# Altium PCB TB_PCB.PcbDoc (part 2 of 2)
Units mm, origin at the board's own origin, x right, y up, seen from the top; angles counter-clockwise.
Board outline 210.95 x 140.19 mm, 2 copper layers (Top Layer, Bottom Layer); 52 components, 105 nets, 390 pads, 1586 vias.
Unrouted connection lines stored in the file: 19.
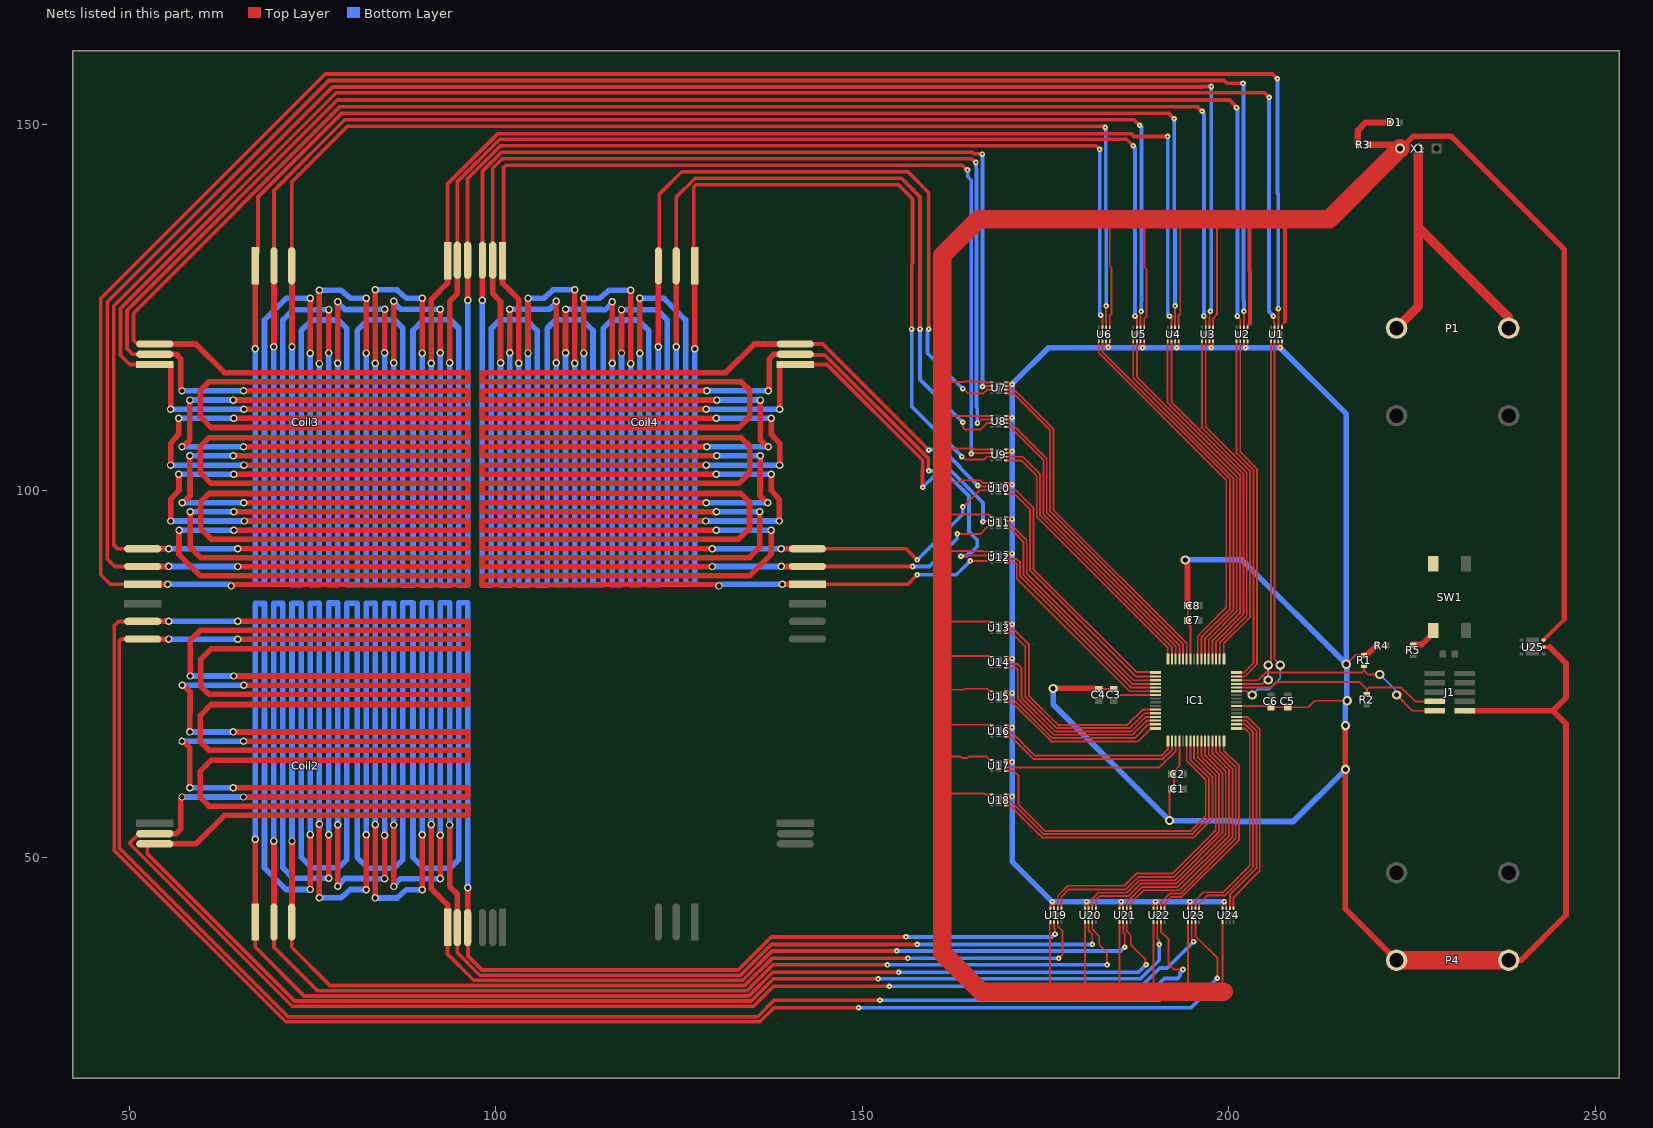
[diagram p2: the nets of this part, all layers, seen from the top]

## Via types
v1: diameter 1.27, hole 0.711, Top Layer to Bottom Layer, 1242 vias
v2: diameter 1.016, hole 0.635, Top Layer to Bottom Layer, 224 vias
v3: diameter 0.762, hole 0.254, Top Layer to Bottom Layer, 120 vias

## Nets (pads, with @x,y where several pads share a name; then routed paths per layer and width w, separated by ;. In a path a pad name is that pad's centre, name@x,y a point inside that pad or via, vN(x,y) a via of type N, cw(c..) or ccw(c..) an arc to the next point about the centre after c; other vN are vias at no path point) (continued)
NetCoil2_A2-1: Coil2.A2-1 U23.3 | length 206.6
  Top Layer w0.254: U23.3@195.445,41.148 195.445,39.236 198.428,36.253 v3(198.428,33.474)
  Top Layer w0.508: Coil2.A2-1@51.816,82.169 48.514,82.169 47.914,81.569 47.914,50.951 71.331,27.534 136.01,27.534 137.94,29.464 v3(149.479,29.464)
  Bottom Layer w0.508: v3(149.479,29.464) 194.818,29.464 196.599,31.245 196.599,31.645 v3(198.428,33.474)
NetCoil2_A2-2: Coil2.A2-2 U23.2 | length 162.9
  Top Layer w0.254: U23.2@194.945,41.148 194.945,38.804 195.199,38.55 v3(195.199,38.481)
  Top Layer w0.508: Coil2.A2-2@51.435,53.34 50.038,51.943 50.038,51.831 72.211,29.658 135.13,29.658 137.857,32.385 v3(153.67,32.385)
  Bottom Layer w0.508: v3(153.67,32.385) 188.087,32.385 190.573,34.871 191.589,34.871 v3(195.199,38.481)
  other v2: 83.559,44.435 75.926,44.47 82.309,45.558 89.929,45.558 74.676,45.593 96.179,45.847 86.059,45.999 78.426,46.034 84.809,47.082 92.429,47.082 77.176,47.117 69.683,52.197 72.183,52.197 67.183,52.451 84.809,53.011 92.429,53.011 77.176,53.046 82.309,53.051 89.929,53.051 74.676,53.086 86.059,54.388 93.679,54.388 78.426,54.423 83.559,54.448 91.179,54.448 75.926,54.483 57.175,58.213 65.564,58.213 58.258,59.463 64.187,59.463 57.175,65.833 65.564,65.833 58.258,67.083 64.187,67.083 57.21,73.466 65.599,73.466 58.293,74.716 64.222,74.716 55.372,79.756 64.77,79.755 55.372,82.169 64.77,82.17
NetCoil2_A3-1: Coil2.A3-1 U22.3 | length 235.7
  Top Layer w0.254: U22.3@190.738,41.148 190.738,39.854 191.769,38.823 191.769,35.42 192.517,34.671 v3(193.737,34.671)
  Top Layer w0.508: Coil2.A3-1@51.816,79.756 48.895,79.756 48.622,79.483 48.622,51.244 71.624,28.242 135.717,28.242 137.955,30.48 v3(152.4,30.48)
  Bottom Layer w0.508: 190.583,30.48 188.38,30.48 153.508,30.48 152.689,30.48 v3(152.4,30.48) 188.199,30.48 191.174,33.455 192.977,33.455 193.329,33.807 193.329,34.194 193.737,34.602 v3(193.737,34.671)
NetCoil2_A3-2: Coil2.A3-2 U22.2 | length 155.5
  Top Layer w0.254: U22.2@190.238,41.148 190.238,38.939 190.451,38.725 190.451,38.149 v3(190.5,38.1)
  Top Layer w0.508: Coil2.A3-2@52.63,51.844 52.451,51.665 52.451,50.419 72.504,30.366 134.837,30.366 137.872,33.401 v3(152.146,33.401)
  Bottom Layer w0.508: v3(152.146,33.401) 187.96,33.401 190.5,35.941 v3(190.5,38.1)
NetCoil2_B1-1: Coil2.B1-1 U21.3 | length 136.4
  Top Layer w0.254: U21.3@186.063,41.148 186.063,39.87 186.617,39.316 186.617,38.083 188.613,36.087 188.613,35.415 v3(188.703,35.325)
  Top Layer w0.508: Coil2.B1-1@67.183,41.148 67.183,40.513 67.183,37.719 73.828,31.074 134.544,31.074 137.76,34.29 v3(154.94,34.29)
  Bottom Layer w0.508: v3(154.94,34.29) 187.668,34.29 v3(188.703,35.325)
NetCoil2_B1-2: Coil2.B1-2 U21.2 | length 102.1
  Top Layer w0.254: U21.2@185.563,41.148 185.563,41.027 185.609,40.981 185.609,39.682 185.801,39.49 v3(185.801,37.719)
  Top Layer w0.508: Coil2.B1-2@93.394,39.601 93.394,36.781 96.977,33.198 133.664,33.198 137.677,37.211 v3(154.686,37.211)
  Bottom Layer w0.508: v3(154.686,37.211) 185.224,37.211 185.732,37.719 v3(185.801,37.719)
NetCoil2_B2-1: Coil2.B2-1 U20.3 | length 127.7
  Top Layer w0.254: U20.3@181.356,41.148 181.356,40.163 182.323,39.196 182.323,38.058 183.388,36.994 v3(183.388,35.306)
  Top Layer w0.508: Coil2.B2-1@69.723,41.148 69.723,37.719 75.66,31.782 134.251,31.782 137.775,35.306 v3(153.416,35.306)
  Bottom Layer w0.508: v3(153.416,35.306) v3(183.388,35.306)
NetCoil2_B2-2: Coil2.B2-2 U20.2 | length 96.3
  Top Layer w0.254: U20.2@180.856,41.148 180.856,40.021 181.356,39.521 v3(181.356,38.1)
  Top Layer w0.508: Coil2.B2-2@94.742,40.386 94.742,36.957 97.793,33.906 133.371,33.906 137.565,38.1 v3(157.48,38.1)
  Bottom Layer w0.508: v3(157.48,38.1) v3(181.356,38.1)
NetCoil2_B3-1: Coil2.B3-1 U19.3 | length 117.2
  Top Layer w0.254: U19.3@176.649,41.148 176.649,40.6 177.292,39.957 177.292,36.703 v3(176.784,36.195)
  Top Layer w0.508: Coil2.B3-1@72.136,41.148 72.136,37.719 77.365,32.49 133.957,32.49 137.662,36.195 v3(156.21,36.195)
  Bottom Layer w0.508: v3(156.21,36.195) v3(176.784,36.195)
NetCoil2_B3-2: Coil2.B3-2 U19.2 | length 87.6
  Top Layer w0.254: U19.2@176.149,41.148 176.149,40.347 176.276,40.22 v3(176.276,39.497)
  Top Layer w0.508: Coil2.B3-2@96.198,39.556 96.198,36.517 98.101,34.614 133.078,34.614 137.58,39.116 v3(155.956,39.116)
  Bottom Layer w0.508: v3(155.956,39.116) 175.826,39.116 176.207,39.497 v3(176.276,39.497)
NetCoil3_A1-1: Coil3.A1-1 U1.2 | length 251.3
  Top Layer w0.254: U1.2@206.75,122.424 206.756,122.43 v3(206.756,124.841)
  Top Layer w0.508: Coil3.A1-1@51.816,87.249 49.776,87.249 47.371,87.249 46.101,88.519 46.101,126.238 76.708,156.845 205.994,156.845 v3(206.629,156.21)
  Bottom Layer w0.508: v3(206.629,156.21) 206.629,140.565 206.756,140.438 v3(206.756,124.841)
NetCoil3_A1-2: Coil3.A1-2 U1.3 | length 213.1
  Top Layer w0.254: v3(206.048,123.825) 206.121,123.752 206.121,123.063 206.248,122.936 U1.3@206.248,122.301
  Top Layer w0.508: Coil3.A1-2@54.102,117.221 Coil3.A1-2@53.467,117.221 50.038,117.221 48.768,118.491 48.768,124.841 78.232,154.305 204.851,154.305 v3(205.486,153.67)
  Bottom Layer w0.508: v3(205.486,153.67) 205.486,124.456 206.048,123.894 v3(206.048,123.825)
NetCoil3_A2-1: Coil3.A2-1 U2.2 | length 241.3
  Top Layer w0.254: U2.2@202.049,122.301 202.049,124.452 v3(202.057,124.46)
  Top Layer w0.508: Coil3.A2-1@51.816,89.662 49.776,89.662 48.006,89.662 46.99,90.678 46.99,125.73 77.235,155.975 199.364,155.975 199.764,155.575 v3(201.93,155.575)
  Bottom Layer w0.508: v3(201.93,155.575) 202.003,155.502 202.003,125.857 202.057,125.803 v3(202.057,124.46)
  other v2: 63.881,86.995 55.245,87.249 55.372,89.662 64.77,89.661 55.372,92.075 64.77,92.076 56.769,94.615 64.262,94.615 55.646,95.865 65.659,95.865 58.293,97.115 64.222,97.115 57.21,98.365 65.599,98.365 56.734,102.248 64.227,102.248 55.611,103.498 65.624,103.498 58.258,104.748 64.187,104.748 57.175,105.998 65.564,105.998 56.734,109.868 64.227,109.868 55.611,111.118 65.624,111.118 58.258,112.368 64.187,112.368 57.175,113.618 65.564,113.618 75.926,117.348 83.559,117.383 91.179,117.383 78.426,117.408 86.059,117.443 93.679,117.443 74.676,118.745 82.309,118.78 89.929,118.78 77.176,118.785 84.809,118.82 92.429,118.82 67.183,119.38 69.683,119.634 72.183,119.634 77.176,124.714 84.809,124.749 92.429,124.749 78.426,125.797 86.059,125.832 96.179,125.984 74.676,126.238 82.309,126.273 89.929,126.273 75.926,127.361 83.559,127.396
NetCoil3_A2-2: Coil3.A2-2 U2.3 | length 202.4
  Top Layer w0.254: v3(201.168,123.825) 201.168,123.756 201.549,123.375 U2.3@201.549,122.301
  Top Layer w0.508: Coil3.A2-2@52.578,118.618 50.419,118.618 49.657,119.38 49.657,124.587 78.359,153.289 200.081,153.289 201.041,152.329 v3(201.041,152.273)
  Bottom Layer w0.508: v3(201.041,152.273) 201.041,152.204 201.168,152.077 v3(201.168,123.825)
NetCoil3_A3-1: Coil3.A3-1 U3.2 | length 230
  Top Layer w0.254: U3.2@197.35,122.301 197.352,122.303 197.352,123.593 197.396,123.637 197.396,124.393 v3(197.485,124.482)
  Top Layer w0.508: Coil3.A3-1@49.911,92.075 48.387,92.075 47.879,92.583 47.879,125.222 77.724,155.067 196.215,155.067 196.288,155.14 v3(197.612,155.14)
  Bottom Layer w0.254: v3(197.485,124.482) 197.485,124.609 v3@197.612,124.736
  Bottom Layer w0.508: v3@197.612,124.736 v3(197.612,155.14)
NetCoil3_A3-2: Coil3.A3-2 U3.3 | length 194.2
  Top Layer w0.254: v3(196.596,123.825) 196.645,123.776 196.645,123.454 196.85,123.248 U3.3@196.85,122.301
  Top Layer w0.508: Coil3.A3-2@52.578,120.142 50.927,120.142 50.546,120.523 50.546,124.206 78.74,152.4 195.638,152.4 196.273,151.765 v3(196.342,151.765) ; Coil3.A3-2@52.632,120.191 53.291,120.191 Coil3.A3-2@53.467,120.015
  Bottom Layer w0.508: v3(196.342,151.765) 196.342,151.696 196.596,151.442 v3(196.596,123.825)
NetCoil3_B1-1: Coil3.B1-1 U4.2 | length 166.4
  Top Layer w0.254: Coil3.B1-1@67.31,132.334 Coil3.B1-1@67.556,132.58 ; U4.2@192.651,122.301 192.651,125.214 v3(192.659,125.222)
  Top Layer w0.508: Coil3.B1-1@67.556,132.58 67.556,140.073 78.994,151.511 191.77,151.511 v3(192.532,150.749)
  Bottom Layer w0.508: v3(192.532,150.749) 192.532,138.025 192.659,137.898 v3(192.659,125.222)
NetCoil3_B1-2: Coil3.B1-2 U4.3 | length 138
  Top Layer w0.254: Coil3.B1-2@93.345,131.445 Coil3.B1-2@93.408,131.381 ; v3(191.897,123.825) 191.897,123.756 192.151,123.502 U4.3@192.151,122.301
  Top Layer w0.508: Coil3.B1-2@93.345,131.445 93.345,133.604 93.408,133.667 93.408,141.842 100.284,148.717 186.675,148.717 187.056,148.336 v3(191.643,148.336)
  Bottom Layer w0.508: v3(191.643,148.336) 191.643,124.079 v3(191.897,123.825)
NetCoil3_B2-1: Coil3.B2-1 U5.2 | length 159
  Top Layer w0.254: U5.2@187.952,122.301 187.952,124.379 v3(188.033,124.46)
  Top Layer w0.508: Coil3.B2-1@69.723,132.08 69.723,140.97 79.375,150.622 187.071,150.622 v3(187.833,149.86)
  Bottom Layer w0.508: v3(187.833,149.86) 187.833,149.791 188.087,149.537 188.087,125.857 188.033,125.803 v3(188.033,124.46)
NetCoil3_B2-2: Coil3.B2-2 U5.3 | length 130.7
  Top Layer w0.254: v3(187.198,123.825) 187.198,123.756 187.452,123.502 U5.3@187.452,122.301
  Top Layer w0.508: Coil3.B2-2@94.742,131.445 94.742,142.174 100.523,147.955 186.055,147.955 v3(186.944,147.066)
  Bottom Layer w0.508: v3(186.944,147.066) 186.944,146.997 187.198,146.743 v3(187.198,123.825)
NetCoil3_B3-1: Coil3.B3-1 U6.2 | length 151.4
  Top Layer w0.254: U6.2@183.253,122.301 183.253,125.214 v3(183.261,125.222)
  Top Layer w0.508: Coil3.B3-1@72.136,132.259 72.136,142.113 79.756,149.733 182.953,149.733 v3(183.134,149.552)
  Bottom Layer w0.508: v3(183.134,149.552) 183.134,149.483 183.207,149.41 183.207,135.88 183.261,135.826 v3(183.261,125.222)
NetCoil3_B3-2: Coil3.B3-2 U6.3 | length 124
  Top Layer w0.254: v3(182.499,123.952) 182.499,123.883 182.753,123.629 U6.3@182.753,122.301
  Top Layer w0.508: Coil3.B3-2@96.139,131.445 96.139,142.57 100.635,147.066 181.864,147.066 v3(182.372,146.558)
  Bottom Layer w0.254: 182.372,134.181 182.45,134.102
  Bottom Layer w0.508: v3(182.372,146.558) 182.372,134.181 182.372,124.079 v3(182.499,123.952)
NetCoil4_A1-1: Coil4.A1-1 U12.3 | length 26.5
  Top Layer w0.254: Coil4.A1-1@142.494,87.249 Coil4.A1-1@142.621,87.376 ; v3(164.719,90.424) 164.744,90.399 167.104,90.399 167.328,90.622 167.471,90.622 167.519,90.67 U12.3@167.64,90.67
  Top Layer w0.508: Coil4.A1-1@142.748,87.249 156.21,87.249 v3(157.48,88.519)
  Bottom Layer w0.508: v3(157.48,88.519) 162.814,88.519 v3(164.719,90.424)
  other v2: 130.429,86.995 139.065,87.249 130.048,94.615 137.541,94.615 128.651,95.865 138.664,95.865 130.083,102.248 137.576,102.248 128.686,103.498 138.699,103.498 130.083,109.868 137.576,109.868 128.686,111.118 138.699,111.118
NetCoil4_A1-2: Coil4.A1-2 U12.2 | length 48.1
  Top Layer w0.254: v3(163.449,91.059) 163.586,91.059 163.697,91.17 U12.2@167.64,91.17
  Top Layer w0.508: Coil4.A1-2@141.732,117.221 145.161,117.221 158.242,104.14 158.242,103.071 158.217,103.046 158.217,100.482 v3(158.242,100.457)
  Bottom Layer w0.508: v3(158.242,100.457) 159.766,101.981 161.827,101.981 164.538,99.27 164.538,94.431 165.681,93.288 165.681,92.386 164.846,91.551 164.665,91.551 164.222,91.108 163.498,91.108 v3(163.449,91.059)
NetCoil4_A2-1: Coil4.A2-1 U11.3 | length 26.8
  Top Layer w0.254: v3(162.934,94.114) 166.123,94.114 167.063,95.054 167.063,95.056 167.376,95.369 U11.3@167.517,95.369
  Top Layer w0.508: Coil4.A2-1@143.431,89.662 v3(156.845,89.662)
  Bottom Layer w0.508: v3(156.845,89.662) 159.131,89.662 162.934,93.465 v3(162.934,94.114)
NetCoil4_A2-2: Coil4.A2-2 U11.2 | length 37.9
  Top Layer w0.254: v3(166.443,95.758) 166.512,95.758 166.623,95.869 U11.2@167.64,95.869
  Top Layer w0.508: Coil4.A2-2@141.7,118.523 144.875,118.523 159.004,104.394 159.004,102.747 v3(159.052,102.7)
  Bottom Layer w0.508: v3(159.052,102.7) 159.062,102.689 162.121,102.689 166.443,98.367 v3(166.443,95.758)
NetCoil4_A3-1: Coil4.A3-1 U10.3 | length 30.3
  Top Layer w0.254: v3(163.703,97.79) 163.772,97.79 166.042,100.06 U10.3@167.64,100.06
  Top Layer w0.508: Coil4.A3-1@142.494,92.075 155.956,92.075 v3(157.48,90.551)
  Bottom Layer w0.508: v3(157.48,90.551) 163.703,96.774 v3(163.703,97.79)
NetCoil4_A3-2: Coil4.A3-2 U10.2 | length 34
  Top Layer w0.254: v3(165.735,100.711) 165.872,100.711 166.023,100.56 U10.2@167.517,100.56
  Top Layer w0.508: Coil4.A3-2@141.732,120.015 144.58,120.015 v3(159.058,105.537)
  Bottom Layer w0.508: v3(159.058,105.537) 159.107,105.586 159.18,105.586 159.206,105.612 160.961,105.612 163.324,103.249 163.324,103.122 v3(165.735,100.711)
NetCoil4_B1-1: Coil4.B1-1 U9.3 | length 84
  Top Layer w0.254: v3(163.576,104.648) 163.645,104.648 164.026,104.267 166.624,104.267 166.997,104.64 U9.3@167.64,104.64
  Top Layer w0.508: Coil4.B1-1@127,130.683 127,131.318 127,141.434 127.298,141.732 154.929,141.732 156.845,139.816 156.845,131.03 156.718,130.903 v3(156.718,122.047)
  Bottom Layer w0.508: v3(156.718,122.047) 156.718,111.506 v3(163.576,104.648)
NetCoil4_B1-2: Coil4.B1-2 U9.2 | length 116
  Top Layer w0.254: v3(164.846,105.029) 164.983,105.029 165.094,105.14 U9.2@167.64,105.14
  Top Layer w0.508: Coil4.B1-2@101.043,133.563 101.043,144.101 101.34,144.399 163.634,144.399 164.269,143.764 v3(164.338,143.764)
  Bottom Layer w0.508: v3(164.338,143.764) 164.387,143.715 164.387,142.826 164.846,142.367 v3(164.846,105.029)
NetCoil4_B2-1: Coil4.B2-1 U8.3 | length 81.7
  Top Layer w0.254: Coil4.B2-1@124.587,133.049 124.667,132.969 Coil4.B2-1@124.667,132.027 ; v3(163.703,109.347) 163.703,108.66 163.992,108.371 166.156,108.371 166.997,109.212 U8.3@167.64,109.212
  Top Layer w0.508: Coil4.B2-1@124.587,133.049 124.587,140.023 127.185,142.621 155.321,142.621 157.861,140.081 v3(157.861,122.047)
  Bottom Layer w0.508: v3(157.861,122.047) 157.861,115.189 v3(163.703,109.347)
NetCoil4_B2-2: Coil4.B2-2 U8.2 | length 117
  Top Layer w0.254: v3(165.681,109.22) 165.775,109.22 166.267,109.712 U8.2@167.64,109.712
  Top Layer w0.508: Coil4.B2-2@99.568,131.445 99.568,143.996 100.86,145.288 164.904,145.288 165.412,144.78 v3(165.481,144.78)
  Bottom Layer w0.508: v3(165.481,144.78) 165.53,144.731 165.53,143.955 165.554,143.93 165.554,111.436 165.681,111.309 v3(165.681,109.22)
NetCoil4_B3-1: Coil4.B3-1 U7.3 | length 80.8
  Top Layer w0.254: v3(163.703,113.919) 163.772,113.919 164.407,113.284 166.509,113.284 167.009,113.784 U7.3@167.517,113.784
  Top Layer w0.508: Coil4.B3-1@122.301,131.953 122.301,140.462 125.349,143.51 156.21,143.51 159.058,140.662 v3(159.058,122.047)
  Bottom Layer w0.508: v3(159.058,122.047) 159.009,121.998 159.009,121.925 158.877,121.793 158.877,118.745 v3(163.703,113.919)
NetCoil4_B3-2: Coil4.B3-2 U7.2 | length 114.6
  Top Layer w0.254: v3(166.389,114.173) 166.526,114.173 166.637,114.284 U7.2@167.64,114.284
  Top Layer w0.508: Coil4.B3-2@98.131,131.405 98.131,133.676 98.171,133.716 98.171,143.6 100.748,146.177 165.031,146.177 165.237,145.972 166.321,145.972 v3(166.37,145.923)
  Bottom Layer w0.508: v3(166.37,145.923) 166.379,145.914 166.379,114.182 v3(166.389,114.173)
  other v2: 129.54,89.661 138.938,89.662 129.54,92.076 138.938,92.075 130.088,97.115 136.017,97.115 128.711,98.365 137.1,98.365 130.123,104.748 136.052,104.748 128.746,105.998 137.135,105.998 130.123,112.368 136.052,112.368 128.746,113.618 137.135,113.618 118.384,117.348 103.131,117.383 110.751,117.383 115.884,117.408 100.631,117.443 108.251,117.443 119.634,118.745 104.381,118.78 112.001,118.78 117.134,118.785 101.881,118.82 109.501,118.82 127.127,119.38 122.127,119.634 124.627,119.634 117.134,124.714 101.881,124.749 109.501,124.749 115.884,125.797 108.251,125.832 98.131,125.984 119.634,126.238 104.381,126.273 112.001,126.273 118.384,127.361 110.751,127.396
NetD1_2: D1.2 R3.1 | length 6.7
  Top Layer w0.847: R3.1@217.588,147.193 217.588,149.135 218.694,150.241 D1.2@221.881,150.241
NetIC1_1: IC1.1 U23.6 | length 30.6
  Top Layer w0.254: U23.6@195.445,43.048 195.445,44.128 196.529,45.212 199.22,45.212 202.854,48.846 202.854,66.873 202.151,67.576 IC1.1@201.041,67.576
NetIC1_2: IC1.2 U23.5 | length 31.2
  Top Layer w0.254: U23.5@195.945,43.048 195.945,43.679 197.024,44.758 199.408,44.758 203.308,48.658 203.308,67.061 202.233,68.136 IC1.2@201.041,68.136
NetIC1_3: IC1.3 U24.6 | length 28.9
  Top Layer w0.254: U24.6@200.138,43.171 200.138,44.846 203.762,48.47 203.762,67.249 202.375,68.636 IC1.3@201.041,68.636
NetIC1_4: IC1.4 U24.5 | length 29.8
  Top Layer w0.254: U24.5@200.636,43.048 200.636,44.553 204.216,48.133 204.216,67.437 202.517,69.136 IC1.4@201.041,69.136
NetIC1_11: IC1.11 U1.6 | length 53.4
  Top Layer w0.254: IC1.11@201.041,72.636 202.425,72.636 202.925,72.136 v1(203.2,72.136) ; U1.6@206.248,120.401 206.248,76.962 v1(207.01,76.2)
  Bottom Layer w0.254: v1(203.2,72.136) 203.962,72.898 205.486,72.898 207.01,74.422 v1(207.01,76.2)
NetIC1_12: IC1.12 J1.4 R2.2 | length 29.3
  Top Layer w0.254: IC1.12@201.041,73.136 205.724,73.136 206.502,73.914 217.789,73.914 218.821,72.882 ; R2.2@218.821,72.226 218.821,72.882 ; J1.4@228.086,71.247 225.425,71.247 223.536,73.136 219.075,73.136 218.821,72.882
NetIC1_13: IC1.13 U1.5 | length 50.9
  Top Layer w0.254: IC1.13@201.041,73.636 204.552,73.636 205.084,74.168 v1(205.359,74.168) ; v1(205.359,76.2) 205.359,76.475 205.748,76.864 U1.5@205.748,120.401
  Bottom Layer w0.254: v1(205.359,74.168) v1(205.359,76.2)
NetIC1_14: IC1.14 J1.2 R1.1 | length 30.9
  Top Layer w0.254: IC1.14@201.041,74.136 203.967,74.136 204.397,74.566 205.015,75.184 218.161,75.184 218.44,75.463 ; R1.1@218.54,76.11 R1.1@218.44,76.11 218.44,75.463 ; v1(220.599,74.93) 218.973,74.93 218.44,75.463 ; v1(222.885,72.136) 225.044,69.977 J1.2@228.086,69.977
  Bottom Layer w0.254: v1(220.599,74.93) 222.691,72.838 222.691,72.33 v1(222.885,72.136)
NetIC1_15: IC1.15 U2.6 | length 48.4
  Top Layer w0.254: IC1.15@201.041,74.636 201.054,74.649 202.164,74.649 203.835,76.32 203.835,102.997 201.549,105.283 U2.6@201.549,120.278
NetIC1_16: IC1.16 U2.5 | length 47.6
  Top Layer w0.254: IC1.16@201.041,75.196 202.069,75.196 203.34,76.467 203.34,102.85 201.049,105.141 U2.5@201.049,120.278
NetIC1_17: IC1.17 U3.6 | length 47.4
  Top Layer w0.254: U3.6@196.85,120.401 196.85,108.698 202.886,102.662 202.886,82.769 199.308,79.191 IC1.17@199.308,77.017
NetIC1_18: IC1.18 U3.5 | length 47.4
  Top Layer w0.254: U3.5@196.35,120.401 196.35,108.556 202.432,102.473 202.432,82.957 198.748,79.273 IC1.18@198.748,77.017
NetIC1_19: IC1.19 U4.6 | length 49
  Top Layer w0.254: U4.6@192.151,120.401 192.151,112.113 201.978,102.285 201.978,83.145 198.247,79.414 IC1.19@198.248,77.017 IC1.19@198.248,77.017
NetIC1_20: IC1.20 U4.5 | length 49
  Top Layer w0.254: U4.5@191.651,120.401 191.651,111.971 201.524,102.097 201.524,83.333 197.748,79.557 IC1.20@197.748,77.017
NetIC1_21: IC1.21 U5.6 | length 50.6
  Top Layer w0.254: U5.6@187.452,120.401 187.452,115.528 201.07,101.909 201.07,83.521 197.248,79.699 IC1.21@197.248,77.017
NetIC1_22: IC1.22 U5.5 | length 50.6
  Top Layer w0.254: U5.5@186.952,120.401 186.952,115.386 200.616,101.721 200.616,83.709 196.748,79.841 IC1.22@196.748,77.017
NetIC1_23: IC1.23 U6.6 | length 52.1
  Top Layer w0.254: U6.6@182.753,120.278 182.753,118.943 200.162,101.533 200.162,83.897 196.248,79.983 IC1.23@196.248,77.017
NetIC1_24: IC1.24 U6.5 | length 52.2
  Top Layer w0.254: U6.5@182.253,120.401 182.253,118.801 199.644,101.41 199.644,84.074 195.748,80.178 IC1.24@195.748,77.017
NetIC1_27: IC1.27 U7.6 | length 47.7
  Top Layer w0.254: U7.6@169.54,113.784 170.703,113.784 176.063,108.424 176.063,97.368 194.248,79.183 IC1.27@194.248,77.017
NetIC1_28: IC1.28 U7.5 | length 46.9
  Top Layer w0.254: U7.5@169.54,113.284 170.561,113.284 175.609,108.236 175.609,97.18 193.748,79.041 IC1.28@193.748,77.017
NetIC1_29: IC1.29 U8.6 | length 42.5
  Top Layer w0.254: U8.6@169.54,109.212 169.542,109.21 170.324,109.21 175.155,104.379 175.155,96.992 193.248,78.899 IC1.29@193.248,77.017
NetIC1_30: IC1.30 U8.5 | length 41.7
  Top Layer w0.254: U8.5@169.54,108.712 170.18,108.712 174.701,104.191 174.701,96.804 192.748,78.757 IC1.30@192.748,77.017
NetIC1_31: IC1.31 U9.6 | length 38.4
  Top Layer w0.254: U9.6@169.54,104.64 169.542,104.638 171.848,104.638 174.247,102.239 174.247,96.616 192.235,78.628 192.235,77.03 IC1.31@192.248,77.017
NetIC1_32: IC1.32 U9.5 | length 37.6
  Top Layer w0.254: U9.5@169.54,104.14 171.704,104.14 173.793,102.051 173.793,96.428 191.656,78.565 191.656,77.049 IC1.32@191.688,77.017
NetIC1_33: IC1.33 U10.6 | length 35.6
  Top Layer w0.254: U10.6@169.54,100.06 170.958,100.06 173.339,97.679 173.339,89.297 187.367,75.269 189.89,75.269 IC1.33@189.963,75.196
NetIC1_34: IC1.34 U10.5 | length 35.6
  Top Layer w0.254: U10.5@169.54,99.56 170.696,99.56 172.885,97.371 172.885,89.109 187.358,74.636 IC1.34@189.963,74.636
NetIC1_35: IC1.35 U11.6 | length 31.9
  Top Layer w0.254: U11.6@169.54,95.369 170.313,95.369 172.431,93.251 172.431,88.695 186.99,74.136 IC1.35@189.963,74.136
NetIC1_36: IC1.36 U11.5 | length 31.9
  Top Layer w0.254: U11.5@169.54,94.869 170.171,94.869 171.977,93.063 171.977,88.506 186.847,73.636 IC1.36@189.963,73.636
NetIC1_37: IC1.37 U12.6 | length 28.7
  Top Layer w0.254: U12.6@169.663,90.67 171.062,90.67 171.523,90.209 171.523,88.318 186.705,73.136 IC1.37@189.963,73.136
NetIC1_38: IC1.38 U12.5 | length 28.9
  Top Layer w0.254: U12.5@169.54,90.17 170.92,90.17 171.069,90.021 171.069,88.011 186.444,72.636 IC1.38@189.963,72.636
NetIC1_43: IC1.43 U13.6 | length 30.8
  Top Layer w0.254: U13.6@169.54,81.042 170.739,81.042 172.72,79.061 172.72,72.022 176.686,68.056 186.166,68.056 188.246,70.136 IC1.43@189.963,70.136
NetIC1_44: IC1.44 U13.5 | length 30.6
  Top Layer w0.254: U13.5@169.54,80.542 170.41,80.542 172.212,78.74 172.212,71.888 176.498,67.602 186.467,67.602 188.501,69.636 IC1.44@189.963,69.636
NetIC1_45: IC1.45 U14.6 | length 27.4
  Top Layer w0.254: U14.6@169.54,76.343 171.18,76.343 171.704,75.819 171.704,71.754 176.31,67.148 186.655,67.148 188.643,69.136 IC1.45@189.963,69.136
NetIC1_46: IC1.46 U14.5 | length 27.3
  Top Layer w0.254: U14.5@169.54,75.843 170.918,75.843 171.196,75.565 171.196,71.62 176.122,66.694 186.843,66.694 188.785,68.636 IC1.46@189.963,68.636
NetIC1_47: IC1.47 U15.6 | length 23.4
  Top Layer w0.254: U15.6@169.54,71.636 170.538,71.636 175.934,66.24 187.144,66.24 189.027,68.123 189.95,68.123 IC1.47@189.963,68.136
NetIC1_48: IC1.48 U15.5 | length 23.4
  Top Layer w0.254: U15.5@169.54,71.136 170.396,71.136 175.746,65.786 187.623,65.786 189.413,67.576 IC1.48@189.963,67.576
NetIC1_49: IC1.49 U16.6 | length 24.9
  Top Layer w0.254: U16.6@169.54,66.945 170.422,66.945 173.505,63.862 190.817,63.862 191.688,64.733 IC1.49@191.688,65.864
NetIC1_50: IC1.50 U16.5 | length 25.7
  Top Layer w0.254: U16.5@169.54,66.445 170.28,66.445 173.317,63.408 191.005,63.408 192.248,64.651 IC1.50@192.248,65.864
NetIC1_51: IC1.51 U17.6 | length 25.4
  Top Layer w0.254: U17.6@169.663,62.248 190.518,62.248 192.748,64.478 IC1.51@192.748,65.864
NetIC1_54: IC1.54 U17.5 | length 45.1
  Top Layer w0.254: U17.5@169.54,61.746 170.664,61.746 171.323,61.087 171.323,57.156 174.885,53.594 194.818,53.594 196.85,55.626 196.85,60.579 194.248,63.181 IC1.54@194.248,65.864
NetIC1_55: IC1.55 U18.6 | length 42
  Top Layer w0.254: U18.6@169.54,57.547 170.29,57.547 174.262,53.575 174.697,53.14 195.006,53.14 195.441,53.575 197.304,55.438 197.304,58.395 197.304,60.767 194.748,63.323 IC1.55@194.748,65.864
NetIC1_56: IC1.56 U18.5 | length 42.7
  Top Layer w0.254: U18.5@169.54,57.047 170.148,57.047 174.074,53.121 174.509,52.686 195.194,52.686 195.629,53.121 197.758,55.25 197.758,58.207 197.758,60.955 195.248,63.465 IC1.56@195.248,65.864
NetIC1_57: IC1.57 U19.6 | length 40.1
  Top Layer w0.254: U19.6@176.649,43.048 176.649,44.703 178.047,46.101 185.728,46.101 187.379,47.752 192.278,47.752 198.212,53.686 198.212,61.143 195.748,63.607 IC1.57@195.748,65.864
NetIC1_58: IC1.58 U19.5 | length 40.1
  Top Layer w0.254: U19.5@177.149,43.048 177.149,44.561 178.181,45.593 185.909,45.593 187.614,47.298 192.466,47.298 198.666,53.498 198.666,54.5 198.666,61.331 196.248,63.749 IC1.58@196.248,65.864
NetIC1_59: IC1.59 U20.6 | length 36.3
  Top Layer w0.254: U20.6@181.356,43.048 181.356,44.33 182.165,45.139 186.097,45.139 187.802,46.844 192.654,46.844 199.12,53.31 199.12,54.312 199.12,61.519 196.748,63.891 IC1.59@196.748,65.864
NetIC1_60: IC1.60 U20.5 | length 36.3
  Top Layer w0.254: U20.5@181.856,43.048 181.856,44.188 182.353,44.685 186.285,44.685 187.99,46.39 192.842,46.39 199.574,53.122 199.574,54.124 199.574,61.707 197.248,64.033 IC1.60@197.248,65.864
NetIC1_61: IC1.61 U21.6 | length 32.4
  Top Layer w0.254: U21.6@186.063,43.048 186.063,43.821 188.178,45.936 193.03,45.936 200.028,52.934 200.028,53.936 200.028,61.895 197.748,64.175 IC1.61@197.748,65.864
NetIC1_62: IC1.62 U21.5 | length 32.3
  Top Layer w0.254: U21.5@186.563,43.048 186.563,43.679 188.366,45.482 193.218,45.482 200.482,52.746 200.482,53.748 200.482,62.083 198.248,64.317 IC1.62@198.248,65.864
NetIC1_63: IC1.63 U22.6 | length 28.8
  Top Layer w0.254: U22.6@190.738,43.048 190.738,43.821 191.945,45.028 193.406,45.028 200.936,52.558 200.936,53.56 200.936,62.271 198.748,64.459 IC1.63@198.748,65.864
NetIC1_64: IC1.64 U22.5 | length 28.7
  Top Layer w0.254: U22.5@191.238,43.048 191.238,43.679 192.133,44.574 193.594,44.574 201.39,52.37 201.39,53.372 201.39,62.46 199.308,64.541 IC1.64@199.308,65.864
NetP1_1: P1.1 P1.2 X1.2 | length 44.6
  Top Layer w1.27: P1.1@222.885,122.174 225.806,125.095 ; 225.846,125.135 225.846,135.977 ; X1.2@225.846,146.685 225.846,135.977 ; P1.2@238.114,122.245 238.114,123.709 225.846,135.977
  Top Layer w2.54: P1.2@238.114,122.245 P1.2@238.185,122.174
NetR5_1: R5.1 SW1.3 SW1.4 | length 3.7
  Top Layer w0.762: R5.1@225.171,78.957 225.171,78.969 225.215,79.013 226.336,79.013 227.884,80.561 SW1.4@227.884,80.921
VCC: C1.1 C2.1 C3.1 C4.1 C5.2 C6.2 C7.1 C8.1 IC1.7 IC1.26 IC1.39 IC1.52 J1.1 P4.1 P4.2 R1.2 R4.2 U1.7 U1.8 U2.7 U2.8 U3.7 U3.8 U4.7 U4.8 U5.7 U5.8 U6.7 U6.8 U7.7 U7.8 U8.7 U8.8 U9.7 U9.8 U10.7 U10.8 U11.7 U11.8 U12.7 U12.8 U13.7 U13.8 U14.7 U14.8 U15.7 U15.8 U16.7 U16.8 U17.7 U17.8 U18.7 U18.8 U19.7 U19.8 U20.7 U20.8 U21.7 U21.8 U22.7 U22.8 U23.7 U23.8 U24.7 U24.8 U25.2 | length 491.1
  Top Layer w0.254: U18.7@169.54,58.047 170.16,58.047 170.406,58.293 170.152,58.547 U18.8@169.54,58.547 ; U17.7@169.54,62.746 170.16,62.746 170.406,62.992 170.152,63.246 U17.8@169.54,63.246 ; U16.7@169.54,67.445 170.16,67.445 170.406,67.691 170.152,67.945 U16.8@169.54,67.945 ; U15.7@169.54,72.136 170.152,72.136 170.406,72.39 170.16,72.636 U15.8@169.54,72.636 ; U14.7@169.54,76.843 170.16,76.843 170.406,77.089 170.152,77.343 U14.8@169.54,77.343 ; U13.7@169.54,81.542 170.16,81.542 170.406,81.788 170.152,82.042 U13.8@169.54,82.042 ; U12.7@169.54,91.17 170.168,91.17 v3@170.414,91.416 ; U11.7@169.54,95.869 170.16,95.869 170.406,96.115 170.152,96.369 U11.8@169.54,96.369 ; U10.7@169.54,100.56 170.152,100.56 170.406,100.814 170.16,101.06 U10.8@169.54,101.06 ; U9.7@169.54,105.14 170.16,105.14 170.406,105.386 170.152,105.64 U9.8@169.54,105.64 ; U8.7@169.54,109.712 170.16,109.712 170.406,109.958 170.152,110.212 U8.8@169.54,110.212 ; U7.7@169.54,114.284 170.16,114.284 170.406,114.53 170.152,114.784 U7.8@169.54,114.784 ; U12.8@169.663,91.668 170.158,91.668 170.41,91.416 v3(170.434,91.416) ; U19.8@175.649,43.048 175.649,43.668 175.895,43.914 176.149,43.66 U19.7@176.149,43.048 ; U20.8@180.356,43.048 180.356,43.676 180.594,43.914 180.856,43.652 U20.7@180.856,43.048 ; C4.1@182.245,72.936 C3.1@184.15,72.936 ; U6.7@183.253,120.401 183.253,119.781 183.489,119.545 v3(183.537,119.545) ; v3@183.523,119.559 183.523,119.581 183.753,119.811 U6.8@183.753,120.401 ; C3.1@184.2,72.936 185,72.136 IC1.39@189.963,72.136 ; U21.8@185.063,43.048 185.063,43.676 185.293,43.906 185.293,43.914 185.563,43.644 U21.7@185.563,43.048 ; U5.7@187.952,120.278 187.952,119.89 188.214,119.628 v3(188.214,119.507) 188.214,119.644 188.452,119.882 U5.8@188.452,120.278 ; U22.8@189.738,43.048 189.738,43.66 189.992,43.914 190.238,43.668 U22.7@190.238,43.048 ; v1(191.897,54.991) 191.917,55.011 191.917,58.936 192.29,59.309 192.532,59.309 192.532,61.341 192.563,61.372 192.563,61.753 193.248,62.438 IC1.52@193.248,65.864 ; U4.7@192.651,120.401 192.651,119.781 192.897,119.535 193.151,119.789 U4.8@193.151,120.401 ; C7.1@194.399,81.865 194.748,81.516 IC1.26@194.748,77.017 ; C7.1@194.399,81.915 194.399,86.741 ; U23.8@194.445,43.048 194.445,43.676 194.691,43.922 v3@194.691,43.93 ; v3(194.691,43.942) v3@194.691,43.93 ; U23.7@194.945,43.048 194.945,43.676 v3@194.691,43.93 ; U3.7@197.35,120.401 197.35,119.781 197.596,119.535 197.85,119.789 U3.8@197.85,120.401 ; U24.8@199.136,43.048 199.136,43.66 199.39,43.914 199.636,43.668 U24.7@199.636,43.048 ; IC1.7@201.041,70.636 205.551,70.636 C6.2@205.74,70.447 C5.2@208.026,70.447 210.82,70.447 211.711,71.338 v1(216.131,71.338) ; U2.7@202.049,120.278 202.049,119.89 202.303,119.636 v3(202.303,119.507) ; v3@202.299,119.511 202.299,119.64 202.549,119.89 U2.8@202.549,120.278 ; U1.7@206.748,120.401 206.748,119.781 206.994,119.535 207.248,119.789 U1.8@207.248,120.401 ; v1(216.027,76.327) 217.26,77.56 R1.2@218.44,77.56
  Top Layer w0.508: U25.2@242.927,78.674 243.779,78.674
  Top Layer w0.762: v1(176.022,73.025) 181.745,73.025 181.765,73.005 182.176,73.005 C4.1@182.245,72.936 ; v1(194.056,90.551) 194.056,90.414 194.361,90.109 C8.1@194.361,84.455 ; v1(215.901,67.946) v1(215.9,61.976) 215.9,42.926 P4.1@222.885,35.941 ; R1.2@218.44,77.56 218.44,77.572 218.484,77.616 218.865,77.616 220.116,78.867 R4.2@220.128,78.867 ; J1.1@232.156,69.977 244.221,69.977 ; P4.2@238.185,35.941 239.836,35.941 245.999,42.104 245.999,68.199 244.221,69.977 ; 243.779,78.674 245.999,76.454 245.999,71.755 244.221,69.977
  Top Layer w2.54: P4.1@222.885,35.941 P4.2@238.185,35.941
  Bottom Layer w0.762: v1(176.022,73.025) 176.022,70.866 v1(191.897,54.991) 200.348,54.991 200.475,54.864 208.788,54.864 v1(215.9,61.976) ; v1(194.056,90.551) 201.803,90.551 v1(216.027,76.327) ; v3(199.39,43.942) v3(194.691,43.942) v3(189.992,43.942) v3(185.293,43.942) v3(180.594,43.942) v3(175.895,43.942) 170.434,49.403 v3(170.434,58.293) v3(170.434,62.992) v3(170.434,67.691) v3(170.434,72.39) v3(170.434,77.089) v3(170.434,81.788) v3(170.434,91.416) v3(170.434,96.115) v3(170.434,100.814) v3(170.434,105.386) v3(170.434,109.958) v3(170.434,114.53) 175.411,119.507 183.499,119.507 v3(183.537,119.545) 183.575,119.507 v3(188.214,119.507) v3(192.897,119.507) v3(197.596,119.507) v3(206.994,119.507) 216.027,110.474 v1(216.027,76.327) ; v1(215.901,67.946) 215.901,70.97 216.131,71.2 v1(216.131,71.338) 216.079,71.39 216.079,76.275 v1(216.027,76.327)
VM: R3.2 U1.1 U2.1 U3.1 U4.1 U5.1 U6.1 U7.1 U8.1 U9.1 U10.1 U11.1 U12.1 U13.1 U14.1 U15.1 U16.1 U17.1 U18.1 U19.1 U20.1 U21.1 U22.1 U23.1 U24.1 U25.3 X1.3 | length 520.6
  Top Layer w0.254: 160.909,58.674 166.624,58.674 166.751,58.547 U18.1@167.64,58.547 ; 160.909,63.754 163.359,63.754 163.559,63.554 164.355,63.554 164.555,63.754 166.878,63.754 167.386,63.246 ; 160.909,68.072 167.259,68.072 167.386,67.945 ; 160.909,72.844 163.917,72.844 164.044,72.971 167.051,72.971 167.386,72.636 ; 160.909,77.47 167.259,77.47 167.386,77.343 ; 160.909,82.169 167.259,82.169 167.386,82.042 ; 160.909,91.767 166.457,91.767 166.554,91.67 U12.1@167.64,91.67 ; 160.909,96.774 167.235,96.774 167.517,96.492 167.517,96.371 167.519,96.369 U11.1@167.64,96.369 ; 160.909,101.219 163.369,101.219 163.569,101.419 166.028,101.419 166.387,101.06 U10.1@167.64,101.06 ; 160.909,106.045 161.217,105.737 165.139,105.737 165.236,105.64 U9.1@167.517,105.64 ; 160.909,110.49 161.187,110.212 U8.1@167.64,110.212 ; 160.909,114.808 163.759,114.808 163.832,114.881 166.682,114.881 166.779,114.784 U7.1@167.517,114.784 ; 175.577,31.623 175.577,39.194 175.568,39.204 175.568,40.946 175.649,41.027 U19.1@175.649,41.148 ; 180.245,31.623 180.356,31.734 U20.1@180.356,41.148 ; U6.1@183.753,122.301 183.753,123.862 183.969,124.078 183.969,130.439 183.753,130.655 183.753,137.017 ; 184.912,31.623 185.063,31.774 U21.1@185.063,41.148 ; U5.1@188.452,122.301 188.452,123.444 188.741,123.733 188.741,130.247 188.468,130.52 188.468,137.033 ; 189.611,31.623 189.738,31.75 U22.1@189.738,41.148 ; 192.913,137.033 193.367,136.579 193.367,124.078 193.151,123.862 U4.1@193.151,122.301 ; 194.437,31.623 194.445,31.631 194.445,38.608 194.412,38.641 194.412,39.083 194.445,39.116 U23.1@194.445,41.148 ; U3.1@197.85,122.301 197.85,123.518 198.374,124.042 198.374,137.033 ; 199.136,31.75 U24.1@199.136,41.148 ; U2.1@202.549,122.301 202.551,122.303 202.551,122.501 202.819,122.769 ; U1.1@207.248,122.301 207.248,122.666 207.645,123.063
  Top Layer w0.508: 199.136,31.75 199.263,31.623 ; 202.819,122.769 202.892,122.842 202.892,129.901 202.819,129.974 202.819,137.033 ; 207.645,123.063 207.645,137.033 ; U25.3@242.927,79.624 245.745,82.442
  Top Layer w0.762: X1.3@223.346,146.685 223.496,146.685 225.147,148.336 230.378,148.336 245.745,132.969 245.745,82.442
  Top Layer w0.847: R3.2@219.038,147.193 222.698,147.193 223.206,146.685 X1.3@223.346,146.685
  Top Layer w2.54: 183.753,137.017 183.713,137.057 171.648,137.057 171.623,137.033 165.853,137.033 160.909,132.089 160.909,114.808 160.909,110.49 160.909,106.045 160.909,101.219 160.909,96.774 160.909,91.767 160.909,82.169 160.909,77.47 160.909,72.844 160.909,68.072 160.909,63.754 160.909,58.674 160.909,36.957 166.243,31.623 175.577,31.623 180.245,31.623 184.912,31.623 189.611,31.623 194.437,31.623 199.263,31.623 ; 183.769,137.033 188.468,137.033 192.913,137.033 198.374,137.033 202.819,137.033 207.645,137.033 213.694,137.033 X1.3@223.346,146.685
pads on no net: IC1.6 IC1.9 IC1.10 IC1.41 IC1.42 J1.6 J1.7 J1.8 U1.EPAD U2.EPAD U3.EPAD U4.EPAD U5.EPAD U6.EPAD U7.EPAD U8.EPAD U9.EPAD U10.EPAD U11.EPAD U12.EPAD U13.EPAD U14.EPAD U15.EPAD U16.EPAD U17.EPAD U18.EPAD U19.EPAD U20.EPAD U21.EPAD U22.EPAD U23.EPAD U24.EPAD X1.1
copper on no net:
  other v1: 192.786,38.481 197.612,38.481 163.957,55.753 163.957,60.198 164.719,70.231 163.83,78.613 164.846,87.503 190.119,123.825 199.644,123.825 185.42,123.952 194.818,123.952 204.343,124.079

## Polygon pours and split planes (outlines as drawn)
GND on Bottom Layer "GND_L02_P001" (solid, pour order 1): 251.714,158.476 251.714,19.812 42.291,19.812 42.291,158.476
GND on Top Layer "Top Layer-GND" (solid, pour order 0): 251.724,158.486 251.724,21.336 43.815,21.336 43.815,158.486

## Keep-outs
Keep-Out Layer:
  the board outline again, w3

## Other copper
Bottom Layer:
  text "0.508mm" at 150.025,114.969 h1.52

## Silkscreen, mask and mechanical layers (free items; w line width, h text height)
Top Overlay:
  text "5V" at 218.186,135.509 h2.54 r90
  text "GND" at 217.805,121.412 h2.54 r90
  text "RESET" at 226.314,91.948 h1.52
  text "GND" at 217.805,45.339 h2.54 r90
  text "3.3V" at 217.678,32.131 h2.54 r90
Bottom Overlay:
  text "G. Mariot - Juillet 2025 / Prototype de Plateau Magnétique /  / 4 Cellule de bobines linéaires planaires /     4*3 bobines par cellules /     0.762mm de largeur de fil (30mil) /     0.254mm espacement (10mil) /  / Piloté par DRV8212DSG et LPC865 /  / Prévu pour fonctionner à 5V et 3.3V pour max 2A / Peut être alimenté avec uniqumenet 5V" at 235.664,53.592 h5.08 r0.07